# Altium PCB 400389.PcbDoc (part 2 of 8) (continued)
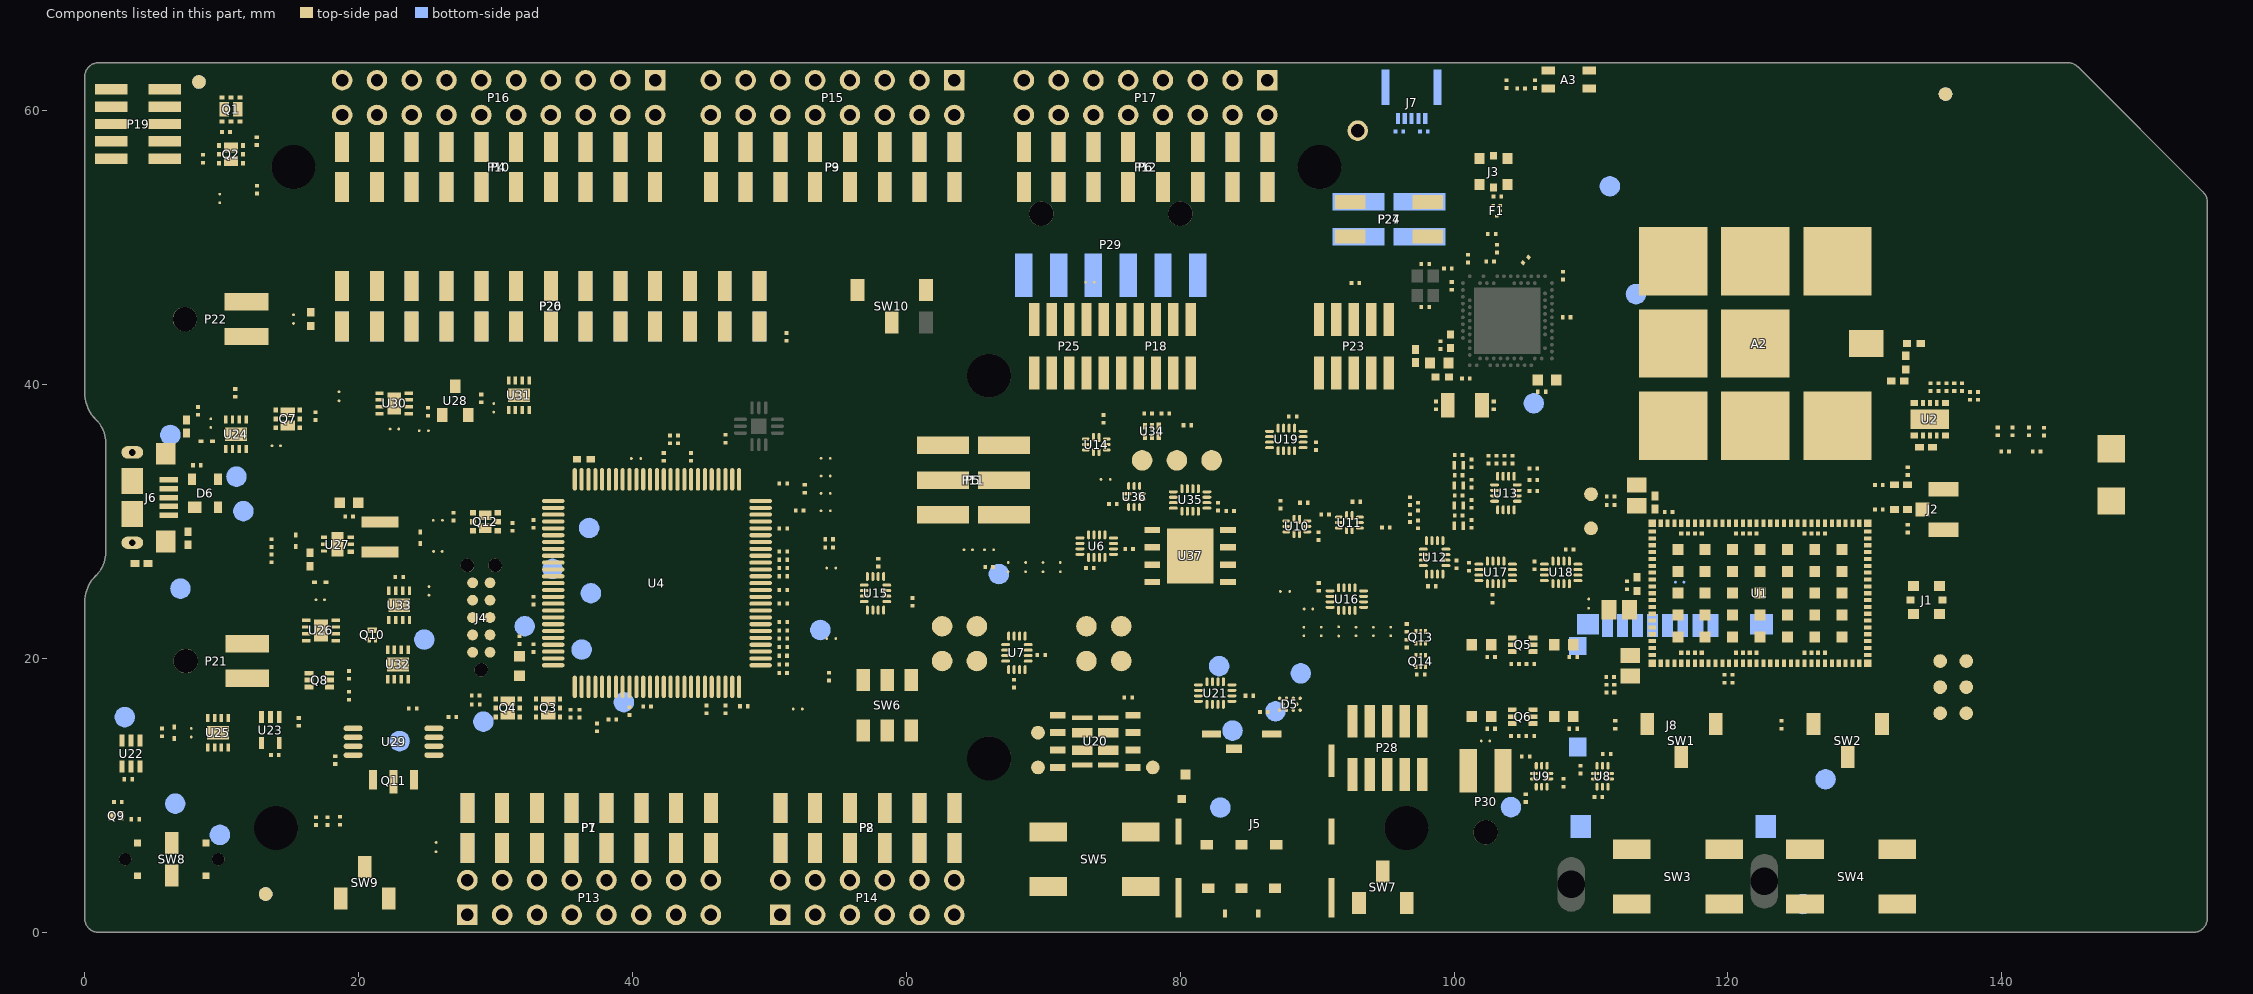
[diagram p4: the components of this part, seen from the top]
## Footprints (in the part's own frame and the unit in brackets; to place one, negate y for a bottom-side part, rotate by r counter-clockwise, add the part's x,y. Pads: shape width x height; smd on the part's side, far side on the other; paste and mask are expansions set on the pad) (continued)
  oval 0.3x1.65 smd mask+0.05: 26(-6,-7.575) 27(-5.5,-7.575) 28(-5,-7.575) 29(-4.5,-7.575) 30(-4,-7.575) 31(-3.5,-7.575) 32(-3,-7.575) 33(-2.5,-7.575) 34(-2,-7.575) 35(-1.5,-7.575) 36(-1,-7.575) 37(-0.5,-7.575) 38(0,-7.575) 39(0.5,-7.575) 40(1,-7.575) 41(1.5,-7.575) 42(2,-7.575) 43(2.5,-7.575) 44(3,-7.575) 45(3.5,-7.575) 46(4,-7.575) 47(4.5,-7.575) 48(5,-7.575) 49(5.5,-7.575) 50(6,-7.575) 76(6,7.575) 77(5.5,7.575) 78(5,7.575) 79(4.5,7.575) 80(4,7.575) 81(3.5,7.575) 82(3,7.575) 83(2.5,7.575) 84(2,7.575) 85(1.5,7.575) 86(1,7.575) 87(0.5,7.575) 88(0,7.575) 89(-0.5,7.575) 90(-1,7.575) 91(-1.5,7.575) 92(-2,7.575) 93(-2.5,7.575) 94(-3,7.575) 95(-3.5,7.575) 96(-4,7.575) 97(-4.5,7.575) 98(-5,7.575) 99(-5.5,7.575) 100(-6,7.575)
  silkscreen extent -7.7,-6.35 6.35,6.83, body extent -8,-8 8,8, height 1.6
TY-NR3015 [mm] "Molded Inductor, 2-Leads, Body 3.00x3.00mm, IPC Medium Density"
  rect 0.8x2.7 smd: 1(-1.1,0) 2(1.1,0)
  silkscreen extent -2.05,-1.55 1.55,1.75, body extent -1.5,-1.5 1.5,1.5, height 1.35
UFDFN50P200X200X60_HS-9N [mm] "SON, 8-Leads, Body 2.00x2.00mm, Pitch 0.50mm, Thermal Pad 1.60x1.00mm, IPC Medium Density"
  rect 0.6x0.25 smd: 1(-1.075,0.75) 2(-1.075,0.25) 3(-1.075,-0.25) 4(-1.075,-0.75) 5(1.075,-0.75) 6(1.075,-0.25) 7(1.075,0.25) 8(1.075,0.75)
  rect 1x1.6 smd: 9(0,0)
  silkscreen extent -1.47,-1.07 1.05,1.22, body extent -1,-1 1,1, height 0.6
UFQFN40P140X180X55-10N [mm] "QFN, 10-Leads, Body 1.40x1.80mm, Pitch 0.40mm, IPC Medium Density"
  oval 0.663x0.225 smd mask+0.055: 1(-0.519,0.2)
  oval 0.563x0.225 smd mask+0.055: 2(-0.569,-0.2) 6(0.569,-0.2) 7(0.569,0.2)
  oval 0.225x0.563 smd mask+0.055: 3(-0.4,-0.769) 4(0,-0.769) 5(0.4,-0.769) 8(0.4,0.769) 9(0,0.769) 10(-0.4,0.769)
  silkscreen extent -1.15,-0.97 0.78,0.97, body extent -0.71,-0.91 0.71,0.91, height 0.55
USB-Micro-B-RA-SMD-PiP [mm] "Micro USB B SMT"
  rect 1.35x0.4 smd: 1(0,1.3) 2(0,0.65) 3(0,0) 4(0,-0.65) 5(0,-1.3)
  oval 1.6x0.9 hole 0.5 slot 1.2 at 0 deg: 6(-2.675,-3.3) 6(-2.675,3.3)
  oval 2x1.5 on Top Paste: 6(-2.675,-3.3) 6(-2.675,3.3)
  rect 1.55x1.9 smd: 6(-2.675,-1.2) 6(-2.675,1.2)
  rect 1.4x1.6 smd: 6(-0.225,-3.2) 6(-0.225,3.2)
  silkscreen extent -4.75,-3.75 0.25,3.75, body extent -5.28,-4.1 0.15,4.1, height 2.72
USP-6C [mm] "DFN, 6-Leads, Body 2.00x1.80mm, Pitch 0.50mm, Thermal Pad 1.00x1.40mm, IPC Medium Density"
  rect 0.45x0.35 smd paste-0.05: 1(-0.975,0.55)
  rect 0.45x0.25 smd paste-0.05: 2(-0.975,0) 3(-0.975,-0.5) 4(0.975,-0.5) 5(0.975,0) 6(0.975,0.5)
  rect 0.9x1.8 smd paste-2: 7(0,0)
  Top Layer region: -0.5,-0.8 0.5,-0.8 0.5,0.8 -0.5,0.8
  silkscreen extent -1.42,-1.08 0.97,1.12, body extent -0.93,-1.03 0.93,1.02, height 0.6
XQFN40P180X260X50-16N [mm] "QFN, 16-Leads, Body 1.80x2.60mm, Pitch 0.40mm, IPC Medium Density"
  oval 0.65x0.22 smd paste-0.02 mask+0.04: 1(-0.825,0.6) 2(-0.825,0.2) 3(-0.825,-0.2) 4(-0.825,-0.6) 9(0.825,-0.6) 10(0.825,-0.2) 11(0.825,0.2) 12(0.825,0.6)
  oval 0.22x0.65 smd paste-0.02 mask+0.04: 5(-0.6,-1.225) 6(-0.2,-1.225) 7(0.2,-1.225) 8(0.6,-1.225) 13(0.6,1.225) 14(0.2,1.225) 15(-0.2,1.225) 16(-0.6,1.225)
  silkscreen extent -1.45,-1.4 1,1.4, body extent -0.91,-1.31 0.91,1.31, height 0.55
XTAL_3215 [mm] "XTAL SMD 3.2 x 1.5 mm"
  rect 1x1.8 smd: 1(-1.25,0) 2(1.25,0)
  silkscreen extent -0.6,-0.75 0.6,0.75, body extent -1.6,-0.75 1.6,0.75, height 0.81

## Part data
A1: "ANTENNA PRESTTA OCTABAND LTE", Manufacturer=Ethertronics, Part number IPS=00000009001, Artikkelnr Noca=N.A., ComponentLink1Description=Datasheet, ComponentLink2Description="Supplier link", Footprint Doc=P822601, HelpURL=http://www.ethertronics.com/wp-content/uploads/2016/11/Prestta-P822601-P822602-Standard-Cellular-Octa-Band-20160904.pdf, LatestRevisionDate=2017-07-28, Manufacturer Part Number=P822601, Part Number=P822601, Pin Count=2, Published=2017-07-28, Publisher="Nordic Semiconductor", Supplier 1=moreelectronics.dk, Supplier 2=Digikey, Supplier Part Number 1=P822601, Supplier Part Number 2=939-1057-1-ND
A2: library part DSGP.1575.18.4.A.02, "18 x 18 mm Low Profile GPS L1 / GALILEO E1 Passive Patch Antenna", Manufacturer=Taoglas, Part number IPS=N.A., Supplier Part Number 1=931-1511-1-ND, Artikkelnr Noca=N.A., ComponentLink1Description=Datasheet, ComponentLink1URL=https://www.taoglas.com/datasheets/DSGP.1575.18.4.A.02.pdf, ComponentLink2Description="Supplier link", ComponentLink2URL=https://www.digikey.com/product-detail/en/taoglas-limited/DSGP.1575.18.4.A.02/931-1511-1-ND/8275289, Footprint Doc=DSGP.1575.18, HelpURL=https://www.taoglas.com/product/18184mm-dsgp-1575-184-gps-l1-galileo-e1-ceramic-patch-copy/?compare=16929, LatestRevisionDate=2020-01-24, Manufacturer Part Number=DSGP.1575.18.4.A.02, Part Number=DSGP.1575.18.4.A.02, Pin Count=2, Published=2020-01-24, Publisher="Nordic Semiconductor", Supplier 1=Digi-Key
A3: library part "Johanson 2450AT18D0100_STD-L", "2.45 GHz chip antenna", Manufacturer="Johanson Technology", Part number IPS=00000001415, Supplier Part Number 1=2450AT18D0100E, Artikkelnr Noca=53059035, ComponentLink1Description=Datasheet, ComponentLink2Description="Supplier link", Footprint Doc=2450AT18D0100, HelpURL=http://www.johansontechnology.com/datasheets/antennas/2450AT18D0100.pdf, LatestRevisionDate=2016-06-02, Manufacturer Part Number=2450AT18D0100, Part Number="Johanson 2450AT18D0100_STD-L", Pin Count=4, Published=2016-01-12, Publisher="Nordic Semiconductor", Supplier 1=Digi-Key, Supplier 2=Mouser, Supplier Part Number 2=609-2450AT18D0100E
C1 C7: library part C0201-15p, "Capacitor, NP0, ±0.1pF, 25V", Part number IPS=N.A., Artikkelnr Noca=N.A., ComponentLink1Description=Datasheet, ComponentLink2Description="Supplier link", Footprint Doc=0201, LatestRevisionDate=2014-11-13, Note="Chip Cap 1%", Part Number=C0201-15p, Pin Count=2, Published=2014-11-13, Publisher="Nordic Semiconductor"
C2 C4 C8 C10 C15 C16 C22 C24 C35 C36 C38 C39 C40 C41 C42 C43 C44 C45 C46 C48 C49 C50 C51 C52 C53 C54 C55 C60 C61 C62 C63 C64 C65 C68 C70 C73 C74 C80 C81 C82 C83 C84: library part C0201-100n, "Capacitor, X5R, ±10%", Part number IPS="00000001248, 00000002505", Artikkelnr Noca=N.A., ComponentLink1Description=Datasheet, ComponentLink2Description="Supplier link", Footprint Doc=0201, LatestRevisionDate=2017-11-09, Note=16V, Part Number=C0201-100n, Pin Count=2, Published=2014-11-13, Publisher="Nordic Semiconductor"
C3 C9: library part C0805-47µ, "Capacitor, X5R, ±20%, 10V", Part number IPS=N.A., Artikkelnr Noca=N.A., ComponentLink1Description=Datasheet, ComponentLink2Description="Supplier link", Footprint Doc=0805, LatestRevisionDate=2019-03-15, Note=10V, Part Number=C0805-47µ, Pin Count=2, Published=2019-03-15, Publisher="Nordic Semiconductor"
C5 C37 C75: library part C0402-4µ7, "Capacitor, X5R, ±20%", Part number IPS="00000001251, 00000007165", Supplier Part Number 1=490-13252-1-ND, Artikkelnr Noca=20039482, ComponentLink1Description=Datasheet, ComponentLink2Description="Supplier link", Footprint Doc=0402, LatestRevisionDate=2017-11-09, Note=10V, Part Number=C0402-4µ7, Pin Count=2, Published=2009-05-08, Publisher="Nordic Semiconductor", Supplier 1=Digi-Key
C6: library part C0805-4µ7, "Capacitor, X5R, ±10%, 16V", Part number IPS=00000006289, Artikkelnr Noca=20039266, ComponentLink1Description=Datasheet, ComponentLink2Description="Supplier link", Footprint Doc=0805, LatestRevisionDate=2020-04-28, Note=16V, Part Number=C0805-4µ7, Pin Count=2, Published=2009-08-21, Publisher="Nordic Semiconductor"
C11 C12 C13: library part C0201-39p, "Capacitor, NP0, ±1%, 25V", Manufacturer=Murata, Manufacturer Part Number=GRM0335C1E390FA01, Part number IPS=00000001668, Artikkelnr Noca=N.A., ComponentLink1Description=Datasheet, ComponentLink2Description="Supplier link", Footprint Doc=0201, LatestRevisionDate=2019-04-16, Note=25V, Part Number=C0201-39p, Pin Count=2, Published=2019-04-16, Publisher="Nordic Semiconductor"
C14 C17 C26 C76: library part C0201-100p, "Capacitor, NP0, ±2%, 25V", Manufacturer=Murata, Manufacturer Part Number=GRM0335C1E101GA01, Part number IPS=00000007853, Artikkelnr Noca=N.A., ComponentLink1Description=Datasheet, ComponentLink2Description="Supplier link", Footprint Doc=0201, LatestRevisionDate=2019-04-16, Note=25V, Part Number=C0201-100p, Pin Count=2, Published=2019-04-16, Publisher="Nordic Semiconductor"
C18 C23: library part C0402-1µ0, "Capacitor, X5R, ±5%, 6.3V", Part number IPS="00000007786, 00000003457", Supplier Part Number 1=1276-1444-1-ND, Artikkelnr Noca=20039235, ComponentLink1Description=Datasheet, ComponentLink2Description="Supplier link", Footprint Doc=0402, LatestRevisionDate=2016-08-22, Note=6.3V, Part Number=C0402-1µ0, Pin Count=2, Published=2009-05-08, Publisher="Nordic Semiconductor", Supplier 1=Digi-Key
C19: library part C0201-47n, "Capacitor, X5R, ±10%", Part number IPS=00000001250, Artikkelnr Noca=N.A., ComponentLink1Description=Datasheet, ComponentLink2Description="Supplier link", Footprint Doc=0201, LatestRevisionDate=2017-11-09, Note=10V, Part Number=C0201-47n, Pin Count=2, Published=2014-11-13, Publisher="Nordic Semiconductor"
C20 C21 C25 C28: library part C0201-12p, "Capacitor, NP0, ±2%", Part number IPS=00000007848, Artikkelnr Noca=N.A., ComponentLink1Description=Datasheet, ComponentLink2Description="Supplier link", Footprint Doc=0201, LatestRevisionDate=2017-11-09, Note=25V, Part Number=C0201-12p, Pin Count=2, Published=2014-11-13, Publisher="Nordic Semiconductor"
C27 C32 C66 C71 C72 C87 C88 C89 C90: library part C0201-N.C., "Not mounted", Part number IPS=N.A., Artikkelnr Noca=N.A., Assembly="Not mounted", ComponentLink1Description=Datasheet, ComponentLink2Description="Supplier link", Footprint Doc=0201, LatestRevisionDate=2014-11-13, Note="Chip Cap", Part Number=C0201-N.C., Pin Count=2, Published=2014-11-13, Publisher="Nordic Semiconductor"
C29 C30: library part C0201-1.0p, "Capacitor, NP0, ±0.05pF, 50V", Part number IPS=00000001247, Artikkelnr Noca=N.A., ComponentLink1Description=Datasheet, ComponentLink2Description="Supplier link", Footprint Doc=0201, LatestRevisionDate=2018-10-22, Note=50V, Part Number=C0201-1.0p, Pin Count=2, Published=2014-11-13, Publisher="Nordic Semiconductor"
C31: library part C0201-1.5p, "Capacitor, NP0, ±0.1pF", Part number IPS=00000007107, Artikkelnr Noca=N.A., ComponentLink1Description=Datasheet, ComponentLink2Description="Supplier link", Footprint Doc=0201, LatestRevisionDate=2017-11-09, Note=50V, Part Number=C0201-1.5p, Pin Count=2, Published=2014-11-13, Publisher="Nordic Semiconductor"
C33: library part C0201-820p, "Capacitor, X7R, ±10%", Part number IPS=00000001249, Artikkelnr Noca=N.A., ComponentLink1Description=Datasheet, ComponentLink2Description="Supplier link", Footprint Doc=0201, LatestRevisionDate=2017-11-09, Note=25V, Part Number=C0201-820p, Pin Count=2, Published=2014-11-13, Publisher="Nordic Semiconductor"
C34: library part C0603-4µ7, "Capacitor, X5R, ±10%", Part number IPS=00000007783, Artikkelnr Noca=20069060, ComponentLink1Description=Datasheet, ComponentLink2Description="Supplier link", Footprint Doc=0603, LatestRevisionDate=2009-11-23, Note=6.3V, Part Number=C0603-4µ7, Pin Count=2, Published=2009-05-08, Publisher="Nordic Semiconductor"
C47 C67 C69: library part C0201-10n, "Capacitor, X7R, ±10%", Part number IPS=00000003480, Artikkelnr Noca=N.A., ComponentLink1Description=Datasheet, ComponentLink2Description="Supplier link", Footprint Doc=0201, LatestRevisionDate=2017-11-09, Note=10V, Part Number=C0201-10n, Pin Count=2, Published=2014-11-13, Publisher="Nordic Semiconductor"
C56 C57 C58 C59 C78 C79: library part C0201-1µ0, "Capacitor, X5R, ±10%", Part number IPS=00000001723, Supplier Part Number 1=1276-6795-1-ND, Artikkelnr Noca=N.A., ComponentLink1Description=Datasheet, ComponentLink2Description="Supplier link", Footprint Doc=0201, LatestRevisionDate=2016-08-22, Note=10V, Part Number=C0201-1µ0, Pin Count=2, Published=2009-05-08, Publisher="Nordic Semiconductor", Supplier 1=Digi-Key
C77: library part C0603-10µ-25V, "Capacitor, X5R, ±20%, 25V", Manufacturer=Samsung, Manufacturer Part Number=CL10A106MA8NRNC, Part number IPS=00000009948, Supplier Part Number 1=1276-1869-1-ND, Artikkelnr Noca=20039436, ComponentLink1Description=Datasheet, ComponentLink2Description="Supplier link", Footprint Doc=0603, HelpURL=http://www.samsungsem.com/kr/front/downloadcms.do?path=/kr/support/product-search/mlcc/__icsFiles/afieldfile/2014/11/05&fileName=S_CL10A106MA8NRNC.pdf, LatestRevisionDate=2015-04-10, Note=25V, Part Number=C0603-10µ-25V, Pin Count=2, Published=2015-04-10, Publisher="Nordic Semiconductor", Supplier 1=Digi-Key
C85: library part C0402-1.0p, "Capacitor, NP0, ±0.1pF", Part number IPS=N.A., Supplier Part Number 1=490-6073-1-ND, Artikkelnr Noca=20029140, ComponentLink1Description=Datasheet, ComponentLink2Description="Supplier link", Footprint Doc=0402, LatestRevisionDate=2017-02-23, Note=50V, Part Number=C0402-1.0p, Pin Count=2, Published=2009-05-08, Publisher="Nordic Semiconductor", Supplier 1=Digi-Key
C86: library part C0201-3.5p, "Capacitor, NP0, ±0.1pF, 25V", Manufacturer=Murata, Manufacturer Part Number=GJM0335C1H3R5BB01E, Part number IPS=00000001469, Artikkelnr Noca=N.A., ComponentLink1Description=Datasheet, ComponentLink2Description="Supplier link", Footprint Doc=0201, LatestRevisionDate=2019-02-22, Note=25V, Part Number=C0201-3.5p, Pin Count=2, Published=2019-02-22, Publisher="Nordic Semiconductor"
CR1: "ESD Suppressor, 30V, 0.04pF", Manufacturer=Panasonic, Part number IPS=N.A., Supplier Part Number 1=P122037CT-ND, Artikkelnr Noca=N.A., ComponentLink1Description=Datasheet, ComponentLink1URL=https://industrial.panasonic.com/cdbs/www-data/pdf/AWD0000/AWD0000C13.pdf, ComponentLink2Description="Supplier link", Footprint Doc=0201, LatestRevisionDate=2020-02-06, Manufacturer Part Number=EZA-EG1N50AC, Part Number=EZA-EG1N50AC, Pin Count=2, Published=2020-02-06, Publisher="Nordic Semiconductor", Supplier 1=Digi-Key
D1 D2 D3 D4: "DIODE SCHOTTKY 20V 500MA SOD882", Manufacturer="Central Semiconductor Corp.", Part number IPS=00000002493, Supplier Part Number 1="CFSH05-20L CT-ND", Artikkelnr Noca=N.A., ComponentLink1Description=Datasheet, ComponentLink2Description="Supplier link", Footprint Doc=SOD-882L, HelpURL=http://www.centralsemi.com/PDFs/products/CFSH05-20L.PDF, LatestRevisionDate=2015-01-30, Manufacturer Part Number=CFSH05-20L, Part Number=CFSH05-20L, Pin Count=2, Published=2015-01-30, Publisher="Nordic Semiconductor", Supplier 1=Digi-Key
D5: "EMI Network Filter Arrays SIM CARD EMI FILTER WITH ESD PROTECTION", Manufacturer="ON Semiconductor", Manufacturer Part Number=CM1402-03CP, Part number IPS=00000009949, Supplier Part Number 1=CM1402-03CPOSTR-ND, Artikkelnr Noca=N.A., ComponentLink1Description=Datasheet, ComponentLink2Description="Supplier link", Footprint Doc=CM1402, HelpURL=http://www.onsemi.com/pub_link/Collateral/CM1402-D.PDF, LatestRevisionDate=2017-02-06, Part Number=CM1402, Pin Count=10, Published=2017-02-06, Publisher="Nordic Semiconductor", Supplier 1=Digi-Key, Supplier 2=Mouser, Supplier Part Number 2=748-CM1402-03CP
D6: "Ultra low capacitance double rail-to-rail ESD protection diode", Manufacturer=NXP, Part number IPS=00000009951, Supplier Part Number 1=568-4140-1-ND, Artikkelnr Noca=10069015, ComponentLink1Description=Datasheet, ComponentLink2Description="Supplier link", Footprint Doc=SOT-143B, HelpURL=http://www.farnell.com/datasheets/109718.pdf, LatestRevisionDate=2017-11-09, Manufacturer Part Number=PRTR5V0U2X, Part Number=PRTR5V0U2X, Pin Count=4, Published=2012-06-11, Publisher="Nordic Semiconductor", Supplier 1=Digi-Key, Supplier 2=Farnell, Supplier Part Number 2=152-4157
D7 D8 D9 D10 D11: "20V schottky barrier diode, Vf 350 mV @ 100 mA, Ir 2.0 µA @ 10 V, If 500 mA", Manufacturer="ON Semiconductor", Part number IPS=00000009952, Supplier Part Number 1=NSR0620P2T5GOSCT-ND, Artikkelnr Noca=10029169, ComponentLink1Description=Datasheet, ComponentLink2Description="Supplier link", Footprint Doc=SOD-923, HelpURL=http://www.onsemi.com/pub_link/Collateral/NSR0620P2-D.PDF, LatestRevisionDate=2016-07-07, Manufacturer Part Number=NSR0620P2T5G, Part Number=NSR0620P2T5G, Pin Count=2, Published=2016-07-07, Publisher="Nordic Semiconductor", Supplier 1=Digi-Key
F1: "2.4 GHz BPF", Manufacturer=Murata, Part number IPS="00000001784, 80000001660", Artikkelnr Noca=N.A., ComponentLink1Description=Datasheet, ComponentLink2Description="Supplier link", Footprint Doc=1109, LatestRevisionDate=2018-05-15, Manufacturer Part Number=SAFFB2G45MA0F0A, Part Number=SAFFB2G45MA0F0A, Pin Count=5, Published=2018-05-15, Publisher="Nordic Semiconductor"
FB1: library part FB0402-120R@100M-500mA, "Ferrite Bead, 120 Ohm @ 100MHz, 700mA, 130 mOhm Max", Manufacturer=Murata, Manufacturer Part Number=BLM15AX121SN1, Part number IPS=N.A., Supplier Part Number 1=490-5439-1-ND, Artikkelnr Noca=N.A., ComponentLink1Description=Datasheet, ComponentLink2Description="Supplier link", Footprint Doc=0402, HelpURL=https://www.murata.com/en-us/products/productdetail.aspx?partno=BLM15AX121SN1%23, LatestRevisionDate=2020-04-23, Part Number=FB0402-120R@100M-500mA, Pin Count=2, Published=2020-04-23, Publisher="Nordic Semiconductor", Supplier 1=Digi-Key
FB2 FB3 FB4: library part FB0402-120R@100M-500mA, "Ferrite Bead, 120 Ohm @ 100MHz, 500mA, 250 mOhm Max", Manufacturer=Murata, Manufacturer Part Number=BLM15AG121SN1D, Part number IPS=00000009954, Supplier Part Number 1=490-1005-1-ND, Artikkelnr Noca=33029317, ComponentLink1Description=Datasheet, ComponentLink2Description="Supplier link", Footprint Doc=0402, HelpURL=http://search.murata.co.jp/Ceramy/image/img/PDF/ENG/L0110S0100BLM15A_SN.pdf, LatestRevisionDate=2014-01-10, Note="Chip EMIFIL Inductor Type Chip Ferrite Bead", Part Number=FB0402-120R@100M-500mA, Pin Count=2, Published=2011-11-14, Publisher="Nordic Semiconductor", Supplier 1=Digi-Key, Supplier 2=Farnell, Supplier Part Number 2=151-5760
Fid1 Fid2 Fid3: library part Fid-Mark, "Fiducial Mark", Part number IPS=N.A., Artikkelnr Noca=N.A., ComponentLink1Description=Datasheet, ComponentLink2Description="Supplier link", Footprint Doc=Fiducial, LatestRevisionDate=2009-12-12, Part Number=Fid-Mark, Pin Count=1, Published=2009-12-12, Publisher="Nordic Semiconductor"
J1 J3: "Coaxial Connector with Switch", Manufacturer=Murata, Part number IPS=00000009955, Supplier Part Number 1=490-4981-1-ND, Artikkelnr Noca=55029011, ComponentLink1Description=Datasheet, ComponentLink2Description="Supplier link", Footprint Doc=COAXIAL-SWF, HelpURL=http://www.murata.com/products/catalog/pdf/o33e.pdf, LatestRevisionDate=2014-04-24, Manufacturer Part Number=MM8130-2600, Part Number=MM8130-2600, Pin Count=3, Published=2014-04-24, Publisher="Nordic Semiconductor", Supplier 1=Digi-Key, Supplier 2=Mouser, Supplier Part Number 2=81-MM8130-2600RA2
J2: library part 20279-001E-03, "Ultraminiature Coaxial Connector, 50 Ohm, SMD", Manufacturer=Wellshow, Part number IPS=N.A., Artikkelnr Noca=N.A., ComponentLink1Description=Datasheet, ComponentLink1URL=\\hizz\pro\app9717\Datasheet\connectors\Wellshow\20279C18.pdf, ComponentLink2Description="Supplier link", Footprint Doc="COAXIAL RF MHFI", LatestRevisionDate=2020-01-07, Manufacturer Part Number=20279-001E-03, Part Number=20279-001E-03, Pin Count=3, Published=2020-01-07, Publisher="Nordic Semiconductor", Supplier 1=Cabcon, Supplier 2=Digi-Key, Supplier Part Number 1=20279-001E-03, Supplier Part Number 2=H11891DKR-ND
J4: library part TC2050-IDC-NLFP, "CBL PLUG-OF-NAILS 10-PIN", Manufacturer="Tag-Connect LLC", Part number IPS=N.A., Supplier Part Number 1=TC2050-IDC-NL-ND, Artikkelnr Noca=N.A., Assembly="Not mounted", ComponentLink1Description=Datasheet, ComponentLink2Description="Supplier link", Footprint Doc=TC2050-IDC-NLFP, HelpURL=http://www.tag-connect.com/Materials/TC2050-IDC%20Datasheet.pdf, LatestRevisionDate=2012-11-21, Manufacturer Part Number=TC2050-IDC-NLFP, Part Number=TC2050-IDC-NLFP, Pin Count=10, Published=2012-11-21, Publisher="Nordic Semiconductor", Supplier 1=Digi-Key
J5: "n 8 (6 + 2) Position Card Connector NANO SIM Surface Mount, Right Angle Gold", Manufacturer=JAE, Part number IPS=00000009956, Supplier Part Number 1=670-2799-1-ND, Artikkelnr Noca=N.A., ComponentLink1Description=Datasheet, ComponentLink2Description="Supplier link", Footprint Doc=SF72S006VBAR2500, HelpURL=http://jae-connectors.com/en/pdf/MB-0282-1E_SF72.pdf, LatestRevisionDate=2016-09-09, Manufacturer Part Number=SF72S006VBAR2500, Part Number=SF72S006VBAR2500, Pin Count=8, Published=2016-09-09, Publisher="Nordic Semiconductor", Supplier 1=Digi-Key, Supplier 2=Mouser, Supplier Part Number 2=656-SF72S006VBAR2500
J6: library part USB-Micro-B-RA-SMD-PiP, "MicroUSB-B-SMT", Manufacturer="Allen Creations Corp.", Manufacturer Part Number=AJU55-BS2111-L, Part number IPS=00000007790, Artikkelnr Noca=55029020, ComponentLink1Description=Datasheet, ComponentLink2Description="Supplier link", Footprint Doc=USB-Micro-B-RA-SMD-PiP, HelpURL="\\hizz\pro\app9717\Datasheet\connectors\Allen Creations Corp\AJU-211.pdf", LatestRevisionDate=2016-04-21, Part Number=USB-Micro-B-RA-SMD-PiP, Pin Count=5, Published=2014-10-07, Publisher="Nordic Semiconductor", Supplier 1=Cabcon, Supplier 2=Digi-Key, Supplier Part Number 1=AJU55-BS2111-L, Supplier Part Number 2=609-4616-1-ND
J7: library part FPC_05P-0.5mm-RA-SMD, "0.5mm FPC, 5P,Right Angle SMT,Double Contact,H=1.2mm,White, Tin plated", Manufacturer=W-CON, Manufacturer Part Number=5141-05RZDNWR01, Part number IPS=00000007792, Artikkelnr Noca=55010020, Assembly="Not mounted", ComponentLink1Description=Datasheet, ComponentLink2Description="Supplier link", Footprint Doc=FPC_05P-0.5mm-RA-SMD, HelpURL=\\hizz\pro\app9717\Datasheet\connectors\W-CON\5141-XXRZDNXX0X.pdf, LatestRevisionDate=2016-04-21, Part Number=FPC_05P-0.5mm-RA-SMD, Pin Count=7, Published=2015-06-22, Publisher="Nordic Semiconductor", Supplier 1=Cabcon, Supplier 2=Digi-Key, Supplier Part Number 1=5141-05RZDNWR01, Supplier Part Number 2=WM9836CT-ND
J8: library part "Bellwether 10104-1021", "1.10mm Pitch microSD Memory Card Connector, Reverse Mount Surface Mount, Push-Push Type", Manufacturer=Bellwether, Manufacturer Part Number=10104-1021, Part number IPS=N.A., Artikkelnr Noca=N.A., Assembly="Not mounted", ComponentLink1Description=Datasheet, ComponentLink2Description="Supplier link", Footprint Doc=MicroSD, LatestRevisionDate=2020-06-12, Part Number="Bellwether 10104-1021", Pin Count=14, Published=2020-06-12, Publisher="Nordic Semiconductor", Supplier 1=Cabcon, Supplier Part Number 1=10104-1021
L1: library part L0201-1n5, "Inductor, 650mA, ±0.1nH", Manufacturer=Murata, Manufacturer Part Number=LQP03TQ1N5B02D, Part number IPS=00000000836, Artikkelnr Noca=N.A., ComponentLink1Description=Datasheet, ComponentLink2Description="Supplier link", Footprint Doc=0201, LatestRevisionDate=2013-04-10, Part Number=L0201-1n5, Pin Count=2, Published=2013-04-10, Publisher="Nordic Semiconductor"
L2: library part L0201-22n, "Chip Inductor", Part number IPS=00000001478, Artikkelnr Noca=N.A., ComponentLink1Description=Datasheet, ComponentLink2Description="Supplier link", Footprint Doc=0201, LatestRevisionDate=2019-08-29, Note="High frequency chip inductor ±10%", Part Number=L0201-22n, Pin Count=2, Published=2013-04-10, Publisher="Nordic Semiconductor"
L3: library part L0402-68n-Wirewound-Murata, "Inductor, 140mA, ±2%, 1960mO, Q=20", Manufacturer=Murata, Manufacturer Part Number=LQW15AN68NG00, Part number IPS=00000002494, Supplier Part Number 1=490-6837-1-ND, Artikkelnr Noca=N.A., ComponentLink1Description=Datasheet, ComponentLink1URL=https://search.murata.co.jp/Ceramy/image/img/P02/JELF243A-0050.pdf, ComponentLink2Description="Supplier link", Footprint Doc=0402, HelpURL=https://psearch.en.murata.com/inductor/product/LQW15AN68NG00%23.html, LatestRevisionDate=2019-04-16, Note="-55°C ~ 125°C", Part Number=L0402-68n-Wirewound-Murata, Pin Count=2, Published=2019-04-16, Publisher="Nordic Semiconductor", Supplier 1=Digi-Key
L4 L5: library part L0402-N.C., "Not mounted", Part number IPS=N.A., Artikkelnr Noca=N.A., Assembly="Not mounted", ComponentLink1Description=Datasheet, ComponentLink2Description="Supplier link", Footprint Doc=0402, LatestRevisionDate=2016-11-24, Part Number=L0402-N.C., Pin Count=2, Published=2016-11-24, Publisher="Nordic Semiconductor"
L6: library part L0402-9n1-Wirewound-Murata, "Inductor, 540mA, ±2%, 140mO, Q=25", Manufacturer=Murata, Manufacturer Part Number=LQW15AN9N1G00, Part number IPS=00000002497, Supplier Part Number 1=490-6854-1-ND, Artikkelnr Noca=N.A., ComponentLink1Description=Datasheet, ComponentLink1URL=https://search.murata.co.jp/Ceramy/image/img/P02/JELF243A-0050.pdf, ComponentLink2Description="Supplier link", Footprint Doc=0402, HelpURL=https://psearch.en.murata.com/inductor/product/LQW15AN9N1G00%23.html, LatestRevisionDate=2019-04-16, Note="-55°C ~ 125°C", Part Number=L0402-9n1-Wirewound-Murata, Pin Count=2, Published=2019-04-16, Publisher="Nordic Semiconductor", Supplier 1=Digi-Key
L8: library part L0402-15n, "Inductor, 320mA, ±5%", Manufacturer="Taiyo Yuden", Manufacturer Part Number=HK100515NJ-T, Part number IPS=00000001262, Supplier Part Number 1=587-1521-1-ND, Artikkelnr Noca=33029323, ComponentLink1Description=Datasheet, ComponentLink2Description="Supplier link", Footprint Doc=0402, HelpURL=http://www.yuden.co.jp/productdata/catalog/en/mlci04_e.pdf, LatestRevisionDate=2012-09-19, Note="High frequency chip inductor ±10%", Part Number=L0402-15n, Pin Count=2, Published=2010-07-12, Publisher="Nordic Semiconductor", Supplier 1=Digi-Key, Supplier 2=Farnell, Supplier Part Number 2=658-1328
L9: library part L0603-10µ, "Inductor, 80mA, ±10%", Manufacturer="Taiyo Yuden", Manufacturer Part Number=LBMF1608T100K, Part number IPS=00000007794, Supplier Part Number 1=587-1714-1-ND, Artikkelnr Noca=33029314, ComponentLink1Description=Datasheet, ComponentLink2Description="Supplier link", Footprint Doc=0603, HelpURL=http://www.yuden.co.jp/ut/product/pdf/elb2_e.pdf, LatestRevisionDate=2012-09-19, Note="LBMF1608T100K 10µH 80mA 0603", Part Number=L0603-10µ, Pin Count=2, Published=2010-02-24, Publisher="Nordic Semiconductor", Supplier 1=Digi-Key, Supplier 2=Farnell, Supplier Part Number 2=178-6105
L10: library part L0201-3n9, "Inductor, 400mA, ±0.1nH", Manufacturer=Murata, Manufacturer Part Number=LQP03TN3N9B02D, Part number IPS=00000001253, Artikkelnr Noca=N.A., ComponentLink1Description=Datasheet, ComponentLink2Description="Supplier link", Footprint Doc=0201, LatestRevisionDate=2017-11-09, Part Number=L0201-3n9, Pin Count=2, Published=2013-04-10, Publisher="Nordic Semiconductor"
L11: library part L0201-2n0, "Chip Inductor", Manufacturer=Murata, Manufacturer Part Number=LQP03TN2N0B02D, Part number IPS=00000001670, Supplier Part Number 1=490-12983-1-ND, Artikkelnr Noca=N.A., ComponentLink1Description=Datasheet, ComponentLink2Description="Supplier link", Footprint Doc=0201, HelpURL=http://www.murata.com/~/media/webrenewal/support/library/catalog/products/inductor/chip/o05e.ashx, LatestRevisionDate=2016-04-19, Note="High frequency chip inductor ±5%", Part Number=L0201-2n0, Pin Count=2, Published=2016-04-19, Publisher="Nordic Semiconductor", Supplier 1=Digi-Key
L12: library part NR3015-4µ7-1.04A-144mOhm, "Ferrite Inductor, Shielded, 1,04A, 144mOhm", Manufacturer="Taiyo Yuden", Manufacturer Part Number=NR3015T4R7M, Part number IPS=00000009960, Supplier Part Number 1=587-1649-1-ND, Artikkelnr Noca=33029551, ComponentLink1Description=Datasheet, ComponentLink2Description="Supplier link", Footprint Doc=1212, HelpURL=http://www.yuden.co.jp/ut/product/category/inductor/NR3015T4R7M.pdf, LatestRevisionDate=2014-01-22, Part Number=NR3015-4µ7-1.04A-144mOhm, Pin Count=2, Published=2014-01-22, Publisher="Nordic Semiconductor", Supplier 1=Digi-Key, Supplier 2=Mouser, Supplier Part Number 2=963-NR3015T4R7M
LED1 LED2 LED3 LED4 LED5: library part "VS 25C7M5", "LED, Green, 0603, 573nm, Vf=2.0V, 24mcd, - 40 to +85°C", Manufacturer="Victory Electronics", Part number IPS=N.A., Artikkelnr Noca=13019193, ComponentLink1Description=Datasheet, ComponentLink2Description="Supplier link", Footprint Doc=0603, HelpURL="\\hizz\pro\app9717\Datasheet\optoelectronics\Victory Electronics\VS 25C7M5.pdf", LatestRevisionDate=2017-08-21, Manufacturer Part Number="VS 25C7M5", Part Number="VS 25C7M5", Pin Count=2, Published=2017-08-21, Publisher="Nordic Semiconductor", Supplier 1="EC Partner"
P1 P3 P6: library part "Socket 1x8 SMD", "Socket 1x8, 2.54mm (100mil), SMD", Manufacturer=W-CON, Manufacturer Part Number=2171-108MS0CUNR1, Part number IPS=00000009963, Artikkelnr Noca=55030002, ComponentLink1Description=Datasheet, ComponentLink2Description="Supplier link", Footprint Doc=SOCKET_1x8_SMD, LatestRevisionDate=2017-10-23, Part Number="Socket 1x8 SMD", Pin Count=8, Published=2016-01-22, Publisher="Nordic Semiconductor", Supplier 1=Cabcon, Supplier 2=Samtec, Supplier Part Number 1=2171-108MS0CUNR1, Supplier Part Number 2=SSM-108-F-SV-P-TR
P2: library part "Socket 1x6 SMD", "Socket 1x6, 2.54mm (100mil), SMD", Manufacturer=W-CON, Manufacturer Part Number=2171-106MS0CUNR1, Part number IPS=00000009964, Artikkelnr Noca=55030001, ComponentLink1Description=Datasheet, ComponentLink2Description="Supplier link", Footprint Doc=SOCKET_1x6_SMD, LatestRevisionDate=2017-10-23, Part Number="Socket 1x6 SMD", Pin Count=6, Published=2016-01-22, Publisher="Nordic Semiconductor", Supplier 1=Cabcon, Supplier 2=Samtec, Supplier Part Number 1=2171-106MS0CUNR1, Supplier Part Number 2=SSM-106-F-SV-P-TR
P4: library part "Socket 1x10 SMD", "Socket 1x10, 2.54mm (100mil), SMD", Manufacturer=W-CON, Manufacturer Part Number=2171-110MS0CUNR1, Part number IPS=00000009965, Artikkelnr Noca=55030004, ComponentLink1Description=Datasheet, ComponentLink2Description="Supplier link", Footprint Doc=SOCKET_1x10_SMD, LatestRevisionDate=2016-01-22, Part Number="Socket 1x10 SMD", Pin Count=10, Published=2016-01-22, Publisher="Nordic Semiconductor", Supplier 1=Cabcon, Supplier 2=Samtec, Supplier Part Number 1=2171-110MS0CUNR1, Supplier Part Number 2=SSM-110-F-SV-P-TR